# Altium PCB Booster_Main_Board.PcbDoc (part 10 of 13)
Units mm, origin at the board's own origin, x right, y up, seen from the top; angles counter-clockwise.
Board outline 400.01 x 117.51 mm, 4 copper layers (Component Side, Signal Layer 1, Power Plane, Solder Side), stack 1.604 mm thick; 1091 components, 573 nets, 3133 pads, 1954 vias.
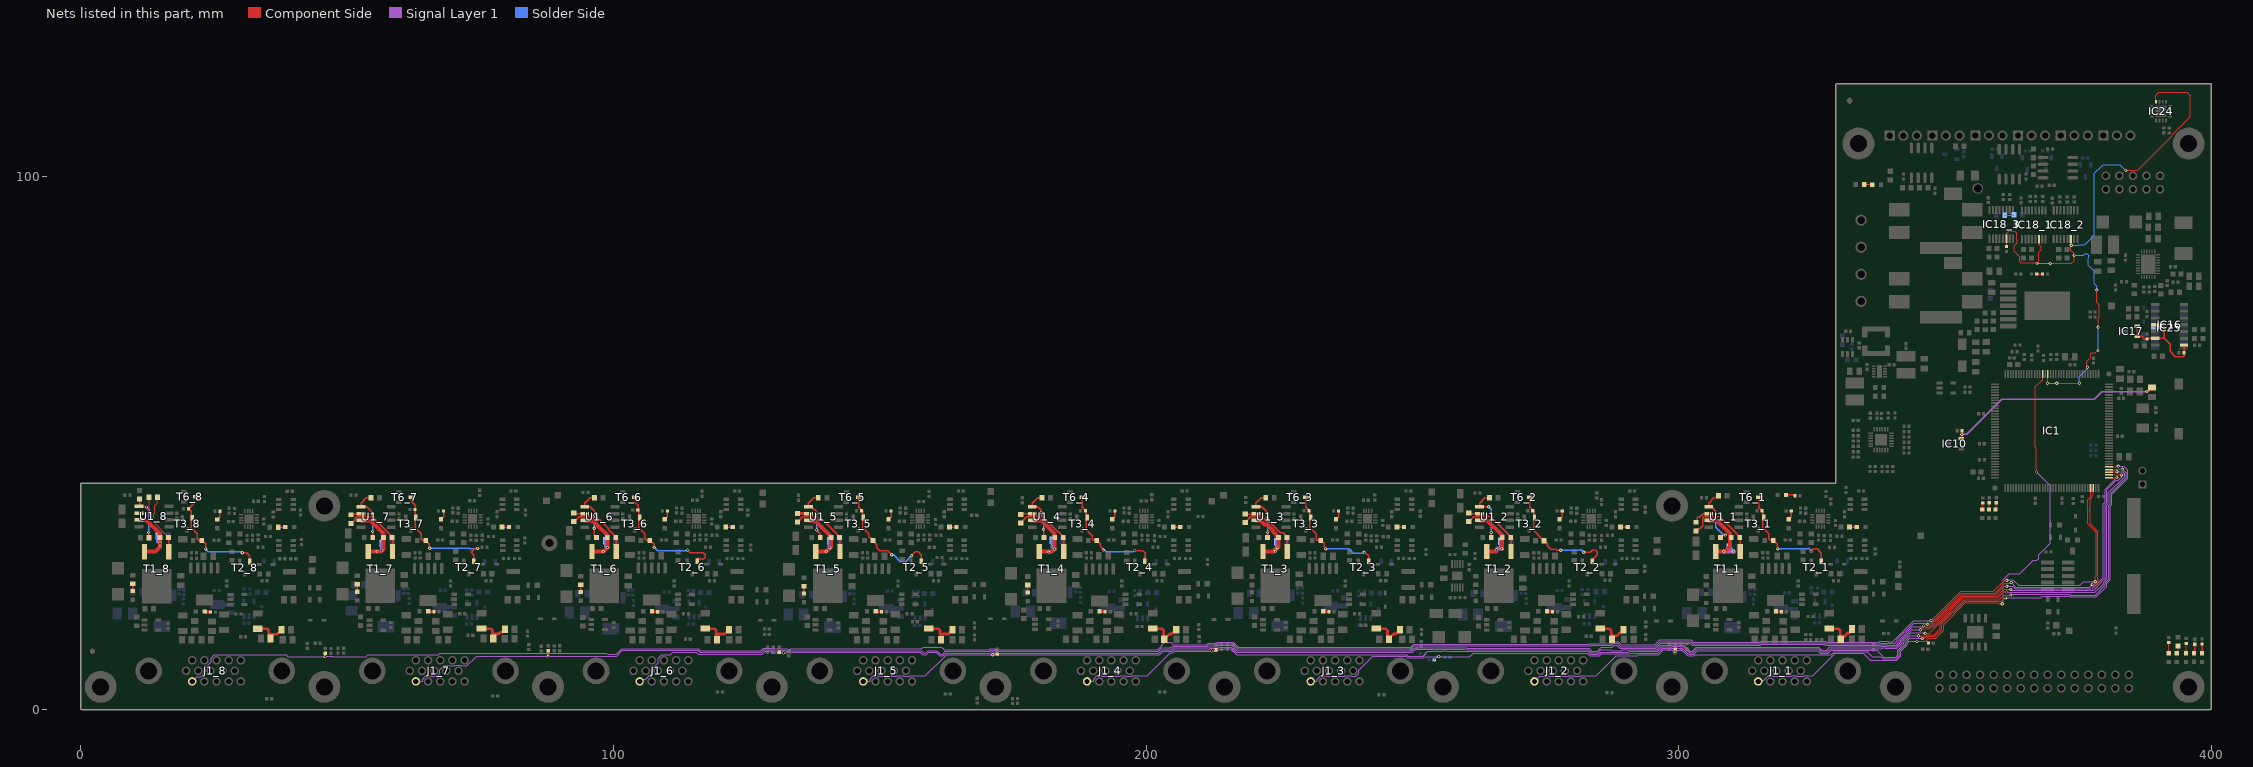
[diagram p12: the nets of this part, all layers, seen from the top]

## Via types
v1: diameter 0.6, hole 0.3, Component Side to Solder Side, tented both sides, 1808 vias
v2: diameter 0.6, hole 0.3, Component Side to Solder Side, 77 vias
v3: diameter 0.5, hole 0.3, Component Side to Solder Side, 40 vias
v4: diameter 1.27, hole 0.711, Component Side to Solder Side, tented both sides, 24 vias
v5: diameter 1.2, hole 0.8, Component Side to Solder Side, tented both sides, 5 vias

## Nets (pads, with @x,y where several pads share a name; then routed paths per layer and width w, separated by ;. In a path a pad name is that pad's centre, name@x,y a point inside that pad or via, vN(x,y) a via of type N, cw(c..) or ccw(c..) an arc to the next point about the centre after c; other vN are vias at no path point) (continued)
NetLD1_4_2: LD1_4.2 R7_4.1 | length 1.4
  Component Side w0.254: LD1_4.2@177.773,21.96 LD1_4.2@177.773,21.985 R7_4.1@177.773,23.36
NetLD1_5_2: LD1_5.2 R7_5.1 | length 1.4
  Component Side w0.254: LD1_5.2@135.758,21.752 LD1_5.2@135.758,21.777 R7_5.1@135.758,23.152
NetLD1_6_2: LD1_6.2 R7_6.1 | length 1.4
  Component Side w0.254: LD1_6.2@93.874,22.036 LD1_6.2@93.874,22.061 R7_6.1@93.874,23.436
NetLD1_7_2: LD1_7.2 R7_7.1 | length 1.4
  Component Side w0.254: LD1_7.2@51.9,22.112 LD1_7.2@51.9,22.137 R7_7.1@51.9,23.512
NetLD1_8_2: LD1_8.2 R7_8.1 | length 1.4
  Component Side w0.254: LD1_8.2@9.728,22.254 R7_8.1@9.728,23.629
NetLD2_1_2: LD2_1.2 R11_1.2 | length 0.9
  Component Side w0.508: LD2_1.2@318.413,18.335 R11_1.2@319.318,18.335
NetLD2_2_2: LD2_2.2 R11_2.2 | length 0.9
  Component Side w0.508: LD2_2.2@275.413,18.335 R11_2.2@276.318,18.335
NetLD2_3_2: LD2_3.2 R11_3.2 | length 0.9
  Component Side w0.508: LD2_3.2@233.413,18.335 R11_3.2@234.318,18.335
NetLD2_4_2: LD2_4.2 R11_4.2 | length 0.9
  Component Side w0.508: LD2_4.2@191.413,18.335 R11_4.2@192.318,18.335
NetLD2_5_2: LD2_5.2 R11_5.2 | length 0.9
  Component Side w0.508: LD2_5.2@149.413,18.335 R11_5.2@150.318,18.335
NetLD2_6_2: LD2_6.2 R11_6.2 | length 0.9
  Component Side w0.508: LD2_6.2@107.413,18.335 R11_6.2@108.318,18.335
NetLD2_7_2: LD2_7.2 R11_7.2 | length 0.9
  Component Side w0.508: LD2_7.2@65.413,18.335 R11_7.2@66.318,18.335
NetLD2_8_2: LD2_8.2 R11_8.2 | length 0.9
  Component Side w0.508: LD2_8.2@23.413,18.306 R11_8.2@24.318,18.306
NetLD3_2: LD3.2 R21.2 | length 1.5
  Component Side w0.254: LD3.2@398.277,10.635 R21.2@398.277,12.185
NetLD4_1_2: LD4_1.2 R107_1.1 | length 1.3
  Component Side w0.254: R107_1.1@332.076,34.263 LD4_1.2@333.401,34.263
NetLD4_2_2: LD4_2.2 R107_2.1 | length 1.3
  Component Side w0.254: R107_2.1@289.076,34.263 LD4_2.2@290.401,34.263
NetLD4_3_2: LD4_3.2 R107_3.1 | length 1.3
  Component Side w0.254: R107_3.1@247.076,34.263 LD4_3.2@248.401,34.263
NetLD4_4_2: LD4_4.2 R107_4.1 | length 1.3
  Component Side w0.254: R107_4.1@205.076,34.263 LD4_4.2@206.401,34.263
NetLD4_5_2: LD4_5.2 R107_5.1 | length 1.3
  Component Side w0.254: R107_5.1@163.076,34.263 LD4_5.2@164.401,34.263
NetLD4_6_2: LD4_6.2 R107_6.1 | length 1.3
  Component Side w0.254: R107_6.1@121.076,34.263 LD4_6.2@122.401,34.263
NetLD4_7_2: LD4_7.2 R107_7.1 | length 1.3
  Component Side w0.254: R107_7.1@79.076,34.263 LD4_7.2@80.401,34.263
NetLD4_8_2: LD4_8.2 R107_8.1 | length 1.3
  Component Side w0.254: R107_8.1@37.076,34.234 LD4_8.2@38.401,34.234
NetLD5_2: LD5.2 R55.1 | length 1.8
  Component Side w0.254: LD5.2@320.118,40.285 321.711,40.285 R55.1@321.839,40.157
NetLD6_2: LD6.2 R142.1 | length 1.5
  Component Side w0.152: R142.1@334.899,98.654 336.157,98.654 LD6.2@336.309,98.501
NetLD9_2: LD9.2 R101.2 | length 1.2
  Component Side w0.152: R101.2@358.292,38.824 358.292,37.782 LD9.2@358.419,37.655
NetLD10_2: LD10.2 R102.2 | length 1.1
  Component Side w0.152: R102.2@357.048,38.748 357.048,37.681 LD10.2@357.073,37.655
NetLD11_2: LD11.2 R103.2 | length 1.2
  Component Side w0.152: R103.2@359.613,38.824 359.613,37.808 LD11.2@359.766,37.655
NetLD12_1_1: LD12_1.1 R104_1.2 | length 1.8
  Component Side w0.254: LD12_1.1@320.629,35.678 321.124,36.173 R104_1.2@321.124,37.265
NetLD12_2_1: LD12_2.1 R104_2.2 | length 1.8
  Component Side w0.254: LD12_2.1@277.629,35.678 278.124,36.173 R104_2.2@278.124,37.265
NetLD12_3_1: LD12_3.1 R104_3.2 | length 1.8
  Component Side w0.254: LD12_3.1@235.629,35.678 236.124,36.173 R104_3.2@236.124,37.265
NetLD12_4_1: LD12_4.1 R104_4.2 | length 1.8
  Component Side w0.254: LD12_4.1@193.629,35.678 194.124,36.173 R104_4.2@194.124,37.265
NetLD12_5_1: LD12_5.1 R104_5.2 | length 1.8
  Component Side w0.254: LD12_5.1@151.629,35.678 152.124,36.173 R104_5.2@152.124,37.265
NetLD12_6_1: LD12_6.1 R104_6.2 | length 1.8
  Component Side w0.254: LD12_6.1@109.629,35.678 110.124,36.173 R104_6.2@110.124,37.265
NetLD12_7_1: LD12_7.1 R104_7.2 | length 1.8
  Component Side w0.254: LD12_7.1@67.629,35.678 68.124,36.173 R104_7.2@68.124,37.265
NetLD12_8_1: LD12_8.1 R104_8.2 | length 1.8
  Component Side w0.254: LD12_8.1@25.629,35.649 26.124,36.144 R104_8.2@26.124,37.236
NetLD16_2: LD16.2 R109.2 | length 1.8
  Component Side w0.152: R109.2@395.258,12.366 395.258,10.886 LD16.2@395.508,10.636
NetLD17_2: LD17.2 R110.1 | length 1.1
  Component Side w0.152: LD17.2@393.758,10.635 R110.1@393.758,11.735
NetLD18_1: LD18.1 R108.2 | length 2
  Component Side w0.152: LD18.1@392.008,10.636 R108.2@392.008,12.616
NetLD19_2: LD19.2 R111.1 | length 1.6
  Component Side w0.254: R111.1@396.876,12.261 396.902,12.235 LD19.2@396.902,10.661
NetR8_1_1: R8_1.1 R9_1.2 U1_1.5 | length 11.3
  Component Side w0.254: v1(306.978,36.754) 306.978,37.254 306.167,38.065 U1_1.5@305.613,38.065 305.613,38.735 306.614,39.735 R9_1.2@307.463,39.735 ; R8_1.1@307.814,32.287 307.772,32.245 307.728,32.289 308.193,32.754 v1(308.728,32.754)
  Solder Side w0.254: v1(306.978,36.754) 306.978,34.22 308.444,32.754 v1(308.728,32.754)
NetR8_2_1: R8_2.1 R9_2.2 U1_2.5 | length 10.6
  Component Side w0.254: U1_2.5@262.613,38.065 262.613,38.735 263.614,39.735 R9_2.2@264.463,39.735 ; U1_2.5@262.793,38.065 v1(264.331,38.065) ; v1(264.795,33.234) 264.795,32.639 264.629,32.473 R8_2.1@264.814,32.287
  Solder Side w0.254: v1(264.331,38.065) 264.795,37.601 v1(264.795,33.234)
NetR8_3_1: R8_3.1 R9_3.2 U1_3.5 | length 10.5
  Component Side w0.254: R9_3.2@222.463,39.735 221.614,39.735 220.613,38.735 U1_3.5@220.613,38.065 221.667,38.065 222.728,37.004 v1(222.728,36.004) ; v1(222.809,33.248) 222.809,32.791 222.559,32.542 R8_3.1@222.814,32.287
  Solder Side w0.254: v1(222.728,36.004) 222.809,36.004 v1(222.809,33.248)
NetR8_4_1: R8_4.1 R9_4.2 U1_4.5 | length 10.6
  Component Side w0.254: v1(180.328,36.93) 180.328,37.404 179.667,38.065 U1_4.5@178.613,38.065 178.613,38.735 179.614,39.735 R9_4.2@180.463,39.735 ; v1(180.746,33.858) 180.814,33.79 R8_4.1@180.814,32.287
  Solder Side w0.254: v1(180.328,36.93) 180.328,36.354 180.267,36.293 180.746,36.293 v1(180.746,33.858)
NetR8_5_1: R8_5.1 R9_5.2 U1_5.5 | length 10
  Component Side w0.254: v1(138.151,33.706) 138.814,33.042 R8_5.1@138.814,32.287 ; v1(138.228,36.504) 138.228,37.004 137.167,38.065 U1_5.5@136.613,38.065 136.613,38.735 137.614,39.735 R9_5.2@138.463,39.735
  Solder Side w0.254: v1(138.151,33.706) v1@138.151,36.504
NetR8_6_1: R8_6.1 R9_6.2 U1_6.5 | length 10.3
  Component Side w0.254: v1(96.393,34.036) 96.393,32.708 R8_6.1@96.814,32.287 ; R9_6.2@96.463,39.735 95.614,39.735 94.613,38.735 U1_6.5@94.613,38.065 95.667,38.065 96.478,37.254 v1(96.478,36.504)
  Solder Side w0.254: v1(96.393,34.036) 96.393,36.419 v1(96.478,36.504)
NetR8_7_1: R8_7.1 R9_7.2 U1_7.5 | length 10.2
  Component Side w0.254: R9_7.2@54.463,39.735 53.614,39.735 52.613,38.735 U1_7.5@52.613,38.065 53.667,38.065 54.728,37.004 v1(54.728,36.754) ; v1(54.788,33.452) 54.788,32.313 R8_7.1@54.814,32.287
  Solder Side w0.254: v1(54.728,36.754) 54.788,36.694 v1(54.788,33.452)
NetR8_8_1: R8_8.1 R9_8.2 U1_8.5 | length 9.6
  Component Side w0.254: U1_8.5@10.793,38.036 v1(12.331,38.036) ; U1_8.5@10.942,37.973 10.676,37.973 10.613,38.036 11.028,38.451 R9_8.2@11.028,39.504 ; v1(12.725,33.255) 12.725,32.639 12.579,32.493 R8_8.1@12.814,32.258
  Solder Side w0.254: v1(12.331,38.036) 12.725,37.642 v1(12.725,33.255)
NetR12_1_1: R12_1.1 R29_1.2 T1_1.1 | length 14.1
  Component Side w0.254: R29_1.2@303.478,33.954 303.928,33.954 304.478,34.504 304.478,35.907 304.726,36.154 305.308,36.154 305.34,36.185 306.727,36.185 306.738,36.175 307.699,36.175 310.057,33.816 310.057,33.801 310.309,33.549 310.324,33.549 311.518,32.355 T1_1.1@311.518,29.66
NetR12_1_2: R12_1.2 R114_1.2 T1_1.2 U1_1.7 | length 14.8
  Component Side w0.762: U1_1.7@305.613,35.525 305.624,35.514 307.189,35.514 309.639,33.064 309.639,30.62 308.679,29.66 v1(308.443,29.66) T1_1.2@306.958,29.66
  Signal Layer 1 w0.762: v1(308.443,29.66) v1(310.239,29.66)
  Solder Side w0.762: v1(308.443,29.66) 308.709,29.66 R114_1.2@309.478,30.429 310.239,29.669 v1(310.239,29.66)
NetR12_2_1: R12_2.1 R29_2.2 T1_2.1 | length 12.6
  Component Side w0.254: R29_2.2@260.553,35.304 260.628,35.304 261.51,36.185 264.688,36.185 267.057,33.816 267.057,33.801 267.309,33.549 267.324,33.549 268.518,32.355 T1_2.1@268.518,29.66
NetR12_2_2: R12_2.2 R114_2.2 T1_2.2 U1_2.7 | length 12.2
  Component Side w0.762: U1_2.7@262.613,35.525 264.017,35.525 266.802,32.741 v1(266.802,30.201) ; T1_2.2@263.958,29.66 265.771,29.66
  Signal Layer 1 w0.762: v1(265.771,30.023) 265.949,30.201 v1(266.802,30.201)
  Solder Side w0.762: R114_2.2@266.633,31.554 266.633,30.37 v1(266.802,30.201)
NetR12_3_1: R12_3.1 R29_3.2 T1_3.1 | length 12.7
  Component Side w0.254: R29_3.2@218.628,35.104 218.628,35.179 219.635,36.185 221.762,36.185 222.149,35.799 222.149,35.764 222.488,35.425 222.926,35.425 225.19,33.16 225.713,33.16 226.518,32.355 T1_3.1@226.518,29.66
NetR12_3_2: R12_3.2 R114_3.2 T1_3.2 U1_3.7 | length 12.5
  Component Side w0.762: U1_3.7@220.613,35.525 221.488,35.525 221.488,35.49 222.215,34.764 222.652,34.764 223.822,33.595 223.822,33.387 224.866,32.343 v1@224.866,30.531 ; T1_3.2@221.958,29.66 223.934,29.66 224.318,30.044 v1(224.628,30.354) 224.628,30.292 v1@224.596,30.26
  Solder Side w0.762: v1(224.209,29.743) 224.209,30.009 224.567,30.366 R114_3.2@224.567,31.504
NetR12_4_1: R12_4.1 R29_4.2 T1_4.1 | length 12.8
  Component Side w0.254: R29_4.2@176.453,35.029 176.453,35.054 177.585,36.185 180.613,36.185 183.249,33.549 183.324,33.549 184.518,32.355 T1_4.1@184.518,29.66
NetR12_4_2: R12_4.2 R114_4.2 T1_4.2 U1_4.7 | length 13
  Component Side w0.762: U1_4.7@178.613,35.525 180.339,35.525 182.804,33.061 v1(182.804,30.099) 182.365,29.66 T1_4.2@179.958,29.66
  Solder Side w0.762: R114_4.2@182.428,31.783 182.428,30.475 v1(182.804,30.099)
  other v1: 181.728,29.554
NetR12_5_1: R12_5.1 R29_5.2 T1_5.1 | length 12.7
  Component Side w0.254: R29_5.2@134.553,35.204 135.535,36.185 137.727,36.185 137.988,35.925 138.949,35.925 141.057,33.816 141.057,33.801 141.309,33.549 141.324,33.549 142.518,32.355 T1_5.1@142.518,29.66
NetR12_5_2: R12_5.2 R114_5.2 T1_5.2 U1_5.7 | length 12
  Component Side w0.762: U1_5.7@136.613,35.525 137.454,35.525 137.715,35.264 138.065,35.264 140.818,32.512 140.818,30.531 v1(140.641,30.354) v1(139.947,29.66) T1_5.2@137.958,29.66
  Solder Side w0.762: R114_5.2@140.578,31.724 140.578,30.417 v1(140.641,30.354)
NetR12_6_1: R12_6.1 R29_6.2 T1_6.1 | length 12.7
  Component Side w0.254: R29_6.2@92.528,35.304 92.703,35.304 93.585,36.185 95.977,36.185 96.238,35.925 97.121,35.925 99.057,33.989 99.057,33.801 99.309,33.549 99.324,33.549 100.518,32.355 T1_6.1@100.518,29.66
NetR12_6_2: R12_6.2 R114_6.2 T1_6.2 U1_6.7 | length 12.3
  Component Side w0.762: U1_6.7@94.613,35.525 95.704,35.525 95.965,35.264 96.343,35.264 97.122,34.486 98.846,32.761 R12_6.2@98.846,32.312 v1(98.846,30.419) v1(98.088,29.66) T1_6.2@95.958,29.66
  Solder Side w0.762: R114_6.2@98.578,31.654 98.578,30.687 v1(98.846,30.419)
NetR12_7_1: R12_7.1 R29_7.2 T1_7.1 | length 12.9
  Component Side w0.254: R29_7.2@50.503,35.104 50.938,35.104 51.509,35.675 51.509,35.937 51.757,36.185 54.477,36.185 54.488,36.175 54.699,36.175 57.057,33.816 57.057,33.801 57.309,33.549 57.324,33.549 58.518,32.355 T1_7.1@58.518,29.66
NetR12_7_2: R12_7.2 R114_7.2 T1_7.2 U1_7.7 | length 12.6
  Component Side w0.762: U1_7.7@52.613,35.525 52.624,35.514 54.358,35.514 56.846,33.025 R12_7.2@56.846,32.312 56.846,30.176 v1(56.528,29.858) 56.33,29.66 v1(55.628,29.66) T1_7.2@53.958,29.66
  Solder Side w0.762: v1(56.528,29.858) 56.582,29.912 R114_7.2@56.582,31.254
NetR12_8_1: R12_8.1 R29_8.2 T1_8.1 | length 11.7
  Component Side w0.203: R29_8.2@14.378,39.829 14.378,38.754 13.928,38.304 13.928,36.904 13.703,36.679 13.703,35.126 16.446,32.383 R12_8.1@16.446,32.283
  Component Side w0.254: T1_8.1@16.518,29.631 R12_8.1@16.518,32.326
NetR12_8_2: R12_8.2 R114_8.2 T1_8.2 U1_8.7 | length 12.3
  Component Side w0.762: U1_8.7@10.903,35.619 12.26,35.619 14.859,33.02 v1(14.859,31.254) v1(14.859,30.505) 13.985,29.631 T1_8.2@11.958,29.631
  Solder Side w0.762: R114_8.2@14.528,32.585 14.528,31.585 v1(14.859,31.254)
NetR17_1_1: R17_1.1 R40_1.1 T2_1.1 T3_1.1 T6_1.3 | length 22.3
  Component Side w0.254: T6_1.3@315.013,39.86 315.013,38.015 315.762,37.266 315.762,34.156 316.895,33.024 316.895,32.05 317.195,31.75 R17_1.1@317.741,31.75 318.446,31.045 318.446,30.584 318.754,30.277 318.627,30.15 v1(318.592,30.15) ; v1(324.828,29.654) 325.325,30.151 325.96,30.151 326.76,29.351 T2_1.1@326.76,27.82
  Solder Side w0.254: v1(318.592,30.15) 324.307,30.15 324.434,30.277 324.828,29.883 v1(324.828,29.654)
NetR17_2_1: R17_2.1 R40_2.1 T2_2.1 T3_2.1 T6_2.3 | length 23.1
  Component Side w0.254: T6_2.3@272.013,39.86 272.013,38.015 272.762,37.266 272.762,33.625 274.315,32.072 274.365,32.072 274.688,31.749 R17_2.1@274.688,31.725 ; R17_2.1@274.688,31.699 R17_2.1@274.688,31.725 ; v1(277.851,29.921) 277.065,29.921 276.913,30.074 276.892,30.053 275.942,30.053 275.29,30.705 275.29,31.174 274.739,31.725 R17_2.1@274.688,31.725 ; v1(282.169,29.54) 283.385,29.54 283.778,29.933 284.368,29.933 284.707,29.594 284.707,29.087 283.76,28.14 T2_2.1@283.76,27.82
  Solder Side w0.254: v1(277.851,29.921) 281.483,29.921 281.635,30.074 v1(282.169,29.54)
NetR17_3_1: R17_3.1 R40_3.1 T2_3.1 T3_3.1 T6_3.3 | length 21.6
  Component Side w0.254: T6_3.3@230.013,39.86 230.013,38.015 230.762,37.266 230.762,34.156 231.895,33.024 231.895,32.391 231.908,32.379 231.908,31.877 232.035,31.75 R17_3.1@232.778,31.75 ; R17_3.1@232.778,31.754 232.896,31.754 233.446,31.203 233.446,30.584 233.728,30.303 v1(233.728,30.154) ; v1(240.928,29.554) 240.928,29.482 240.956,29.454 241.056,29.554 241.76,28.85 T2_3.1@241.76,27.82
  Solder Side w0.254: v1(233.728,30.154) 238.073,30.154 238.853,29.375 240.748,29.375 v1(240.928,29.554)
NetR17_4_1: R17_4.1 R40_4.1 T2_4.1 T3_4.1 T6_4.3 | length 23.3
  Component Side w0.254: T6_4.3@188.013,39.86 188.013,38.015 188.762,37.266 188.762,33.761 189.895,32.628 189.895,31.923 190.065,31.754 190.741,31.754 191.41,31.085 191.41,30.771 191.446,30.734 191.446,30.584 191.973,30.058 v1(191.973,29.934) ; v1(197.828,29.854) 197.879,29.803 199.399,29.803 199.807,29.394 199.807,28.914 ; T2_4.1@199.76,27.82 T2_4.1@199.783,27.843 ; T2_4.1@199.783,27.843 199.807,27.867 199.807,28.914 ; T2_4.1@199.783,27.843 199.783,28.838 199.76,28.86 199.76,28.867 199.807,28.914
  Solder Side w0.254: v1@191.962,30.201 v1@191.973,30.19 ; v1(191.973,29.934) v1@191.973,30.19 ; v1(197.828,29.854) 197.61,29.636 192.527,29.636 v1@191.973,30.19
NetR17_5_1: R17_5.1 R40_5.1 T2_5.1 T3_5.1 T6_5.3 | length 22.7
  Component Side w0.254: T6_5.3@146.013,39.86 146.013,38.015 146.762,37.266 146.762,34.156 147.895,33.024 147.895,32.4 148.058,32.236 148.244,32.236 148.264,32.216 148.436,32.216 149.174,31.477 149.174,31.242 149.446,30.97 149.446,30.335 149.998,29.783 151.528,29.783 152.228,29.083 v1(152.228,29.069) ; v1(155.928,28.854) 156.665,29.591 157.186,29.591 157.76,29.016 T2_5.1@157.76,27.82
  Solder Side w0.254: v1(152.228,29.069) 152.574,29.069 153.871,27.773 154.847,27.773 v1(155.928,28.854)
NetR17_6_1: R17_6.1 R40_6.1 T2_6.1 T3_6.1 T6_6.3 | length 24.9
  Component Side w0.254: T6_6.3@104.013,39.86 104.013,38.938 104.614,38.337 104.614,37.613 104.762,37.465 104.762,34.156 105.895,33.024 105.895,32.395 105.924,32.366 105.924,31.948 106.121,31.75 R17_6.1@106.794,31.75 ; R17_6.1@106.794,31.754 R17_6.1@106.912,31.754 ; R17_6.1@106.908,31.75 R17_6.1@106.912,31.754 ; v1(107.645,30.404) 107.645,31.012 107.442,31.215 107.446,31.219 R17_6.1@106.912,31.754 ; v1@114.056,29.826 114.012,29.782 114.385,29.408 116.868,29.408 117.208,29.069 117.208,28.589 116.868,28.25 116.388,28.25 116.215,28.423 115.76,28.423 T2_6.1@115.76,27.82
  Solder Side w0.254: v1(107.645,30.404) 107.537,30.404 107.467,30.473 107.578,30.584 108.327,29.836 113.928,29.836 v1(113.928,29.954)
NetR17_7_1: R17_7.1 R40_7.1 T2_7.1 T3_7.1 T6_7.3 | length 23.5
  Component Side w0.254: T6_7.3@62.013,39.86 62.013,39.104 62.762,38.355 62.762,34.156 63.895,33.024 63.895,31.939 64.081,31.754 R17_7.1@64.757,31.754 ; R17_7.1@64.757,31.75 65.446,31.061 65.446,30.584 ; T2_7.1@73.76,27.82 73.76,29.102 73.347,29.515 74.087,30.254 v1(74.528,30.254)
  Solder Side w0.254: v1(65.507,30.277) 72.909,30.277 72.977,30.209 74.483,30.209 v1(74.528,30.254)
NetR17_8_1: R17_8.1 R40_8.1 T2_8.1 T3_8.1 T6_8.3 | length 22.1
  Component Side w0.254: R40_8.1@20.231,37.719 20.231,37.739 R40_8.1@20.246,37.754 ; T6_8.3@21.591,39.984 21.591,39.079 20.414,37.902 20.394,37.902 R40_8.1@20.246,37.754 ; v1(23.444,30.15) 23.444,31.194 23.446,31.196 23.401,31.196 22.847,31.75 R17_8.1@22.72,31.75 22.174,31.75 21.908,32.017 21.908,32.024 21.895,32.036 21.895,32.995 20.762,34.127 20.762,37.237 R40_8.1@20.246,37.754 ; v1(30.302,29.439) 31.142,29.439 31.76,28.821 T2_8.1@31.76,27.791
  Solder Side w0.254: v1@23.405,30.11 23.908,29.607 30.134,29.607 v1(30.302,29.439)
NetR26_1: R26.1 R27.2 | length 1.1
  Component Side w0.152: R27.2@367.198,81.754 R26.1@368.258,81.754
NetR29_1_1: R29_1.1 U1_1.6 | length 2.9
  Component Side w0.254: R29_1.1@303.478,35.554 303.478,35.848 303.506,35.876 303.506,36.067 303.84,36.067 304.569,36.795 U1_1.6@305.613,36.795
NetR29_2_1: R29_2.1 U1_2.6 | length 2.1
  Component Side w0.254: R29_2.1@260.553,36.904 260.662,36.795 U1_2.6@262.613,36.795
NetR29_3_1: R29_3.1 U1_3.6 | length 2
  Component Side w0.254: R29_3.1@218.628,36.704 220.522,36.704 U1_3.6@220.613,36.795
NetR29_4_1: R29_4.1 U1_4.6 | length 2.2
  Component Side w0.254: R29_4.1@176.453,36.629 176.619,36.795 U1_4.6@178.613,36.795
NetR29_5_1: R29_5.1 U1_5.6 | length 2.1
  Component Side w0.635: R29_5.1@134.553,36.804 136.604,36.804 U1_5.6@136.613,36.795
NetR29_6_1: R29_6.1 U1_6.6 | length 2.1
  Component Side w0.254: R29_6.1@92.528,36.904 92.637,36.795 U1_6.6@94.613,36.795
NetR29_7_1: R29_7.1 U1_7.6 | length 2.1
  Component Side w0.254: R29_7.1@50.503,36.704 52.522,36.704 U1_7.6@52.613,36.795
NetR29_8_1: R29_8.1 U1_8.6 | length 4.9
  Component Side w0.203: U1_8.6@10.942,36.703 12.577,36.703 12.885,37.011 12.885,39.722 R29_8.1@12.778,39.829
NetR140_1: R140.1 R141.2 | length 1.7
  Solder Side w0.152: R140.1@361.201,92.812 362.864,92.812 R141.2@362.89,92.786
OUT_BIAS_1: C33_1.2 FB5_1.1 R38_1.2 | length 7.1
  Component Side w0.508: R38_1.2@328.223,15.187 329.965,15.187 330.166,14.986 330.308,14.844 330.308,13.187 330.414,13.081 331.565,14.231 331.565,14.27 331.646,14.351 332.022,14.351 C33_1.2@332.657,14.986
OUT_BIAS_2: C33_2.2 FB5_2.1 R38_2.2 | length 6.1
  Component Side w0.508: R38_2.2@285.223,15.187 286.965,15.187 287.166,14.986 287.308,14.844 287.308,13.843 288.383,13.843 288.88,14.339 289.011,14.339 C33_2.2@289.657,14.986
OUT_BIAS_3: C33_3.2 FB5_3.1 R38_3.2 | length 6.8
  Component Side w0.508: R38_3.2@243.223,15.187 244.965,15.187 245.166,14.986 245.308,14.844 245.308,13.478 FB5_3.1@245.578,13.208 245.578,13.29 246.456,14.168 246.839,14.168 C33_3.2@247.657,14.986
OUT_BIAS_4: C33_4.2 FB5_4.1 R38_4.2 | length 6.9
  Component Side w0.508: R38_4.2@201.223,15.187 202.965,15.187 203.166,14.986 203.308,14.844 203.308,13.314 FB5_4.1@203.414,13.208 204.374,14.168 204.763,14.168 205.581,14.986 C33_4.2@205.657,14.986
OUT_BIAS_5: C33_5.2 FB5_5.1 R38_5.2 | length 6.8
  Component Side w0.508: R38_5.2@159.223,15.187 160.965,15.187 161.166,14.986 161.308,14.844 161.308,14.168 ; FB5_5.1@161.504,13.081 161.504,13.972 161.308,14.168 ; C33_5.2@163.657,14.986 162.839,14.168 161.308,14.168
OUT_BIAS_6: C33_6.2 FB5_6.1 R38_6.2 | length 6.7
  Component Side w0.508: R38_6.2@117.223,15.187 118.965,15.187 119.166,14.986 119.308,14.844 119.308,14.168 120.839,14.168 C33_6.2@121.657,14.986
  Component Side w0.762: 119.308,14.168 119.467,14.009 FB5_6.1@119.467,13.081
OUT_BIAS_7: C33_7.2 FB5_7.1 R38_7.2 | length 5.6
  Component Side w0.508: R38_7.2@75.223,15.187 76.965,15.187 77.166,14.986 77.308,14.844 77.308,14.168 78.188,14.168 78.29,14.27 78.565,14.27 78.803,14.508 78.803,14.526 79.137,14.526 79.597,14.986 C33_7.2@79.657,14.986
OUT_BIAS_8: C33_8.2 FB5_8.1 R38_8.2 | length 5.6
  Component Side w0.508: R38_8.2@33.223,15.158 34.965,15.158 35.166,14.957 35.308,14.815 35.308,14.139 36.839,14.139 C33_8.2@37.657,14.957
Output_overdrive0: C83_8.1 IC1.141 J1_8.1 | length 389.7
  Component Side w0.152: v1(45.872,9.954) C83_8.1@45.872,10.548 ; v1@347.36,16.647 352.587,21.874 352.619,21.874 352.923,22.179 359.059,22.179 361.163,24.282 v1(361.594,24.282) ; IC1.141@377.303,41.599 377.303,39.935 376.784,39.416 376.784,34.864 378.372,33.276 378.372,28.315 378.358,28.301 378.358,25.044 378.181,24.867 v1(378.181,23.978)
  Signal Layer 1 w0.152: J1_8.1@20.906,5.245 21.858,6.196 22.477,6.196 23.08,6.799 23.08,7.637 24.45,9.006 24.45,9.66 25.052,10.263 38.573,10.263 38.882,9.954 v1(45.872,9.954) 45.896,9.977 47.31,9.977 47.334,9.954 53.572,9.954 53.881,10.263 67.108,10.263 67.407,10.562 98.658,10.562 98.882,10.338 100.483,10.338 101.538,11.392 115.95,11.392 116.316,11.025 127.68,11.025 128.206,11.552 129.654,11.552 129.82,11.386 131.518,11.386 131.582,11.451 132.506,11.451 132.699,11.257 133.137,11.257 133.267,11.386 157.901,11.386 158.197,11.683 161.602,11.683 162.058,11.227 170.552,11.227 170.75,11.425 171.693,11.425 171.891,11.227 202.161,11.227 203.545,12.611 204.647,12.611 205.079,12.179 211.408,12.179 211.67,12.441 213.094,12.441 213.205,12.552 213.325,12.552 213.417,12.644 216.385,12.644 217.341,11.689 249.654,11.689 250.203,12.238 283.258,12.238 283.404,12.384 287.347,12.384 287.673,12.71 288.616,12.71 289.154,12.171 295.503,12.171 296.408,13.076 302.346,13.076 302.747,12.675 315.097,12.675 315.244,12.822 327.593,12.822 327.741,12.675 337.634,12.675 337.756,12.797 339.204,12.797 339.296,12.705 340.187,12.705 340.746,13.264 340.746,13.295 344.113,16.662 v1(347.345,16.662) ; v1(361.594,24.282) 361.691,24.379 362.712,24.379 363.795,23.297 375.315,23.297 375.996,23.978 v1(378.181,23.978)
Output_overdrive1: C83_7.1 IC1.142 J1_7.1 | length 348.8
  Component Side w0.152: v1(87.732,10.033) 87.757,10.059 C83_7.1@87.757,11.056 ; v1(346.71,16.002) 346.842,16.134 347.564,16.134 347.874,16.443 347.874,16.698 353.05,21.874 359.288,21.874 361.167,23.754 362.31,23.754 v1(362.407,23.851) ; v1(377.596,23.444) 378.395,23.444 378.709,23.759 378.709,24.197 378.663,24.243 378.663,25.883 378.677,25.896 378.677,33.402 377.215,34.863 377.215,37.12 377.18,37.155 377.18,37.593 377.215,37.628 377.215,39.417 377.63,39.831 377.63,40.368 377.803,40.541 IC1.142@377.803,41.599
  Signal Layer 1 w0.152: J1_7.1@62.906,5.274 64.145,5.274 64.164,5.292 64.164,5.7 64.766,6.303 65.618,6.303 65.695,6.225 66.763,6.225 67.366,6.828 67.366,7.451 68.197,8.283 69.049,8.283 69.126,8.205 70.19,8.205 70.267,8.283 71.335,8.283 71.412,8.205 72.476,8.205 74.304,10.033 v1(87.732,10.033) 100.609,10.033 101.664,11.087 115.822,11.087 116.189,10.721 127.806,10.721 128.333,11.247 129.528,11.247 129.694,11.082 131.644,11.082 131.709,11.146 132.147,11.146 132.34,10.952 133.263,10.952 133.393,11.082 157.741,11.082 158.197,10.625 158.635,10.625 159.091,11.082 160.708,11.082 161.364,10.425 161.802,10.425 162.273,10.897 162.886,10.897 162.911,10.922 170.678,10.922 170.876,11.12 171.567,11.12 171.765,10.922 202.287,10.922 202.919,11.554 204.647,11.554 204.968,11.874 211.534,11.874 211.796,12.136 213.22,12.136 213.331,12.248 213.451,12.248 213.543,12.34 216.259,12.34 217.214,11.384 249.78,11.384 250.329,11.933 283.6,11.933 283.702,12.035 284.283,12.035 284.287,12.031 287.425,12.031 287.799,12.405 288.489,12.405 289.083,11.811 295.574,11.811 296.534,12.771 302.219,12.771 302.621,12.37 315.223,12.37 315.37,12.517 327.467,12.517 327.615,12.37 337.76,12.37 337.883,12.492 339.078,12.492 339.17,12.4 340.572,12.4 341.051,12.878 341.051,13.168 344.108,16.226 346.167,16.226 346.391,16.002 v1(346.71,16.002) ; v1(362.407,23.851) 363.266,22.992 377.144,22.992 v1(377.596,23.444)
Output_overdrive2: C83_6.1 IC1.1 J1_6.1 | length 310.9
  Component Side w0.152: C83_6.1@131.14,10.777 131.768,10.777 v1(131.928,10.617) ; v1(345.948,15.697) 346.11,15.697 346.334,15.473 346.929,15.473 347.285,15.829 347.69,15.829 348.178,16.317 348.178,16.572 353.176,21.569 359.415,21.569 360.985,23.139 v1(361.594,23.139) ; IC1.1@380.753,43.549 v1(382.257,43.549)
  Signal Layer 1 w0.152: J1_6.1@104.906,5.274 105.265,5.274 105.708,5.718 106.098,5.718 107.309,6.928 107.309,7.68 108.45,8.821 108.45,9.66 109.052,10.263 110.643,10.263 111.163,10.783 115.566,10.783 115.933,10.416 127.932,10.416 128.459,10.943 129.402,10.943 129.697,10.647 131.928,10.647 133.39,10.647 133.519,10.777 157.615,10.777 158.071,10.321 158.761,10.321 159.218,10.777 160.582,10.777 161.238,10.121 161.928,10.121 162.4,10.592 170.779,10.592 171.002,10.816 171.44,10.816 171.664,10.592 202.388,10.592 203.045,11.249 204.773,11.249 205.094,11.569 211.66,11.569 211.923,11.832 213.346,11.832 213.458,11.943 213.577,11.943 213.669,12.035 216.132,12.035 217.088,11.079 249.906,11.079 250.455,11.628 260.086,11.628 260.207,11.507 283.173,11.507 283.702,10.978 284.741,10.978 285.489,11.727 287.551,11.727 287.925,12.1 288.363,12.1 288.957,11.507 295.701,11.507 296.661,12.467 302.093,12.467 302.495,12.065 315.349,12.065 315.497,12.213 327.268,12.213 327.416,12.065 337.887,12.065 338.009,12.187 338.952,12.187 339.044,12.095 340.699,12.095 341.355,12.752 341.355,13.042 343.828,15.515 345.765,15.515 v1(345.948,15.697) ; v1(361.594,23.139) 362.687,23.139 363.14,22.687 377.638,22.687 379.728,24.778 379.728,38.595 380.055,38.922 380.055,41.027 380.081,41.052 380.081,41.372 v1(382.257,43.549)
Output_overdrive3: C83_5.1 IC1.2 J1_5.1 | length 269.3
  Component Side w0.152: v1(171.221,10.287) 171.356,10.421 C83_5.1@172.06,10.421 ; v1(345.389,14.986) 345.562,15.159 347.046,15.159 347.411,15.524 347.816,15.524 348.483,16.191 348.483,16.446 353.302,21.265 359.669,21.265 361.005,22.601 362.285,22.601 v1(362.331,22.555) ; IC1.2@380.753,44.049 380.781,44.077 383.125,44.077 v1(383.154,44.049)
  Signal Layer 1 w0.152: J1_5.1@146.906,5.274 148.145,5.274 148.164,5.292 148.164,5.7 148.766,6.303 149.834,6.303 149.911,6.225 150.975,6.225 151.052,6.303 152.12,6.303 152.197,6.225 153.261,6.225 153.338,6.303 154.406,6.303 154.483,6.225 155.547,6.225 155.624,6.303 158.542,6.303 162.526,10.287 v1(171.221,10.287) 202.514,10.287 203.171,10.944 204.9,10.944 205.22,11.265 211.787,11.265 212.049,11.527 213.473,11.527 213.584,11.638 213.704,11.638 213.796,11.73 216.006,11.73 216.962,10.774 250.032,10.774 250.581,11.324 259.959,11.324 260.081,11.202 283.047,11.202 283.575,10.673 284.867,10.673 285.396,11.202 287.287,11.202 287.446,11.043 289.337,11.043 289.495,11.202 295.827,11.202 296.736,12.111 298.564,12.111 298.615,12.162 300.877,12.162 301.837,11.202 301.863,11.202 302.092,10.973 302.53,10.973 303.236,11.679 326.307,11.679 326.83,11.155 327.779,11.155 328.384,11.76 338.013,11.76 338.135,11.882 338.826,11.882 338.927,11.781 340.815,11.781 341.66,12.626 341.66,12.916 343.73,14.986 v1(345.389,14.986) ; v1(362.331,22.555) 362.504,22.382 377.881,22.382 379.451,23.952 379.451,24.069 380.033,24.651 380.033,38.469 380.36,38.796 380.36,40.901 380.386,40.926 380.386,41.246 382.159,43.02 382.476,43.02 383.154,43.698 v1(383.154,44.049)
Output_overdrive4: C83_4.1 IC1.3 J1_4.1 | length 228.8
  Component Side w0.152: v1(212.268,10.998) 212.896,10.998 C83_4.1@213.131,11.234 ; v1(346.253,14.326) 347.049,14.326 348.788,16.065 348.788,16.319 353.428,20.96 359.897,20.96 361.01,22.073 v1(361.518,22.073) ; IC1.3@380.753,44.549 380.832,44.628 v1(382.245,44.628)
  Signal Layer 1 w0.152: J1_4.1@188.906,5.274 190.145,5.274 190.164,5.292 190.164,5.7 190.766,6.303 191.618,6.303 191.695,6.225 192.763,6.225 192.84,6.303 193.904,6.303 193.981,6.225 195.049,6.225 195.126,6.303 196.19,6.303 196.267,6.225 197.335,6.225 197.412,6.303 200.232,6.303 204.568,10.639 205.026,10.639 205.346,10.96 212.268,10.96 213.337,10.96 213.71,11.333 214.675,11.333 214.767,11.425 215.88,11.425 216.993,10.312 248.955,10.312 249.236,10.031 252.04,10.031 252.906,10.897 255.717,10.897 255.838,11.019 256.276,11.019 256.398,10.897 282.921,10.897 283.449,10.368 284.993,10.368 285.363,10.738 290.579,10.738 290.738,10.897 295.953,10.897 296.862,11.806 298.69,11.806 298.741,11.857 300.75,11.857 301.71,10.897 301.737,10.897 301.966,10.668 302.656,10.668 303.362,11.374 326.18,11.374 326.704,10.851 327.905,10.851 328.51,11.455 338.139,11.455 338.261,11.578 338.699,11.578 338.801,11.476 340.942,11.476 341.965,12.499 341.965,12.79 343.572,14.397 346.181,14.397 v1(346.253,14.326) ; v1(361.518,22.073) 361.564,22.027 378.135,22.027 379.755,23.647 379.755,23.943 380.39,24.578 380.39,38.395 380.665,38.67 380.665,40.686 383.683,43.704 383.683,44.268 383.343,44.607 382.265,44.607 v1(382.245,44.628)
Output_overdrive5: C83_3.1 IC1.4 J1_3.1 | length 189.6
  Component Side w0.152: v1(345.008,13.868) 345.08,13.797 345.383,13.797 345.475,13.889 345.942,13.889 346.034,13.797 346.472,13.797 346.696,14.021 347.961,14.021 349.093,15.153 349.093,16.193 353.555,20.655 360.202,20.655 361.036,21.488 362.077,21.488 362.128,21.539 362.179,21.488 v1(362.356,21.488) ; IC1.4@380.753,45.049 381.918,45.049 382.026,45.156 382.464,45.156 382.484,45.136 v1(383.286,45.136)
  Signal Layer 1 w0.152: J1_3.1@230.906,5.274 232.145,5.274 232.164,5.292 232.164,5.7 232.766,6.303 233.834,6.303 233.911,6.225 234.975,6.225 235.052,6.303 236.12,6.303 236.197,6.225 237.261,6.225 237.338,6.303 238.406,6.303 238.483,6.225 239.335,6.225 239.938,6.828 239.938,7.401 242.52,9.983 248.853,9.983 249.11,9.726 252.166,9.726 252.397,9.957 254.914,9.957 254.94,9.983 255.016,9.906 260.713,9.906 261.399,10.592 282.794,10.592 283.323,10.064 285.12,10.064 285.49,10.434 290.705,10.434 290.864,10.592 296.079,10.592 296.989,11.501 298.817,11.501 298.868,11.552 300.624,11.552 301.584,10.592 301.61,10.592 301.839,10.363 302.782,10.363 303.433,11.014 326.11,11.014 326.578,10.546 328.032,10.546 328.636,11.151 337.199,11.151 338.49,9.86 340.706,9.86 341.066,10.22 341.066,11.17 342.27,12.373 342.27,12.663 343.475,13.868 v1(345.008,13.868) ; v1(362.356,21.488) 362.529,21.661 373.421,21.661 373.594,21.488 378.155,21.488 380.06,23.393 380.06,23.816 380.746,24.502 380.746,38.32 380.97,38.544 380.97,40.534 383.997,43.561 383.997,44.425 v1(383.286,45.136)
  Solder Side w0.152: C83_3.1@254.083,9.311 254.643,9.871 254.854,9.871 v1(254.94,9.957)
Output_overdrive6: C83_2.1 IC1.5 J1_2.1 | length 147.1
  Component Side w0.152: v1(299.288,10.592) 299.288,11.31 C83_2.1@299.339,11.361 ; v1(345.694,13.36) 345.826,13.492 346.598,13.492 346.822,13.716 348.087,13.716 349.398,15.026 349.398,16.067 353.681,20.35 360.471,20.35 360.512,20.391 360.853,20.391 v1(361.417,20.955) ; IC1.5@380.753,45.549 382.378,45.549 v1(382.524,45.695)
  Signal Layer 1 w0.152: J1_2.1@272.906,5.274 273.858,6.225 274.689,6.225 274.766,6.303 275.618,6.303 275.695,6.225 276.975,6.225 277.052,6.303 277.904,6.303 277.981,6.225 279.261,6.225 279.338,6.303 280.19,6.303 280.267,6.225 281.547,6.225 281.624,6.303 284.484,6.303 286.69,8.509 286.69,8.51 288.308,10.129 292.178,10.129 292.336,10.287 296.206,10.287 297.115,11.197 298.683,11.197 v1(299.288,10.592) 299.842,11.146 300.599,11.146 301.458,10.287 301.484,10.287 301.713,10.058 302.909,10.058 303.137,10.287 324.451,10.287 324.498,10.241 328.581,10.241 329.185,10.846 335.432,10.846 336.321,9.957 337.962,9.957 338.364,9.555 340.832,9.555 341.371,10.094 341.371,11.043 342.575,12.247 342.575,12.537 343.377,13.34 345.227,13.34 345.248,13.36 v1(345.694,13.36) ; v1(361.417,20.955) 367.932,20.955 368.259,21.283 373.369,21.283 373.468,21.184 378.281,21.184 378.38,21.283 378.483,21.283 380.365,23.165 380.365,23.69 381.051,24.376 381.051,38.194 381.275,38.417 381.275,40.407 384.302,43.435 384.302,44.933 383.54,45.695 v1(382.524,45.695)
Output_overdrive7: C83_1.1 IC1.58 J1_1.1 | length 105.5
  Component Side w0.152: v1(344.729,12.802) 344.759,12.832 346.369,12.832 346.44,12.903 ; C83_1.1@346.895,12.497 346.846,12.497 346.44,12.903 ; v1(360.731,19.863) 360.105,19.863 359.923,20.045 353.807,20.045 349.702,15.941 349.702,14.9 348.214,13.411 346.948,13.411 346.44,12.903 ; v1(367.157,44.602) 367.157,49.047 366.903,49.301 366.903,60.554 368.303,61.953 IC1.58@368.303,62.999
  Signal Layer 1 w0.152: J1_1.1@314.906,5.274 315.014,5.382 315.846,5.382 316.766,6.303 317.618,6.303 317.695,6.225 318.763,6.225 318.84,6.303 319.904,6.303 319.981,6.225 321.049,6.225 321.126,6.303 322.19,6.303 322.264,6.229 322.267,6.225 323.335,6.225 323.497,6.387 325.158,6.387 329.058,10.287 329.312,10.541 334.663,10.541 334.917,10.287 335.954,9.25 340.958,9.25 341.676,9.968 341.676,10.917 342.879,12.121 342.879,12.411 343.265,12.797 344.724,12.797 v1(344.729,12.802) ; v1(360.731,19.863) 360.888,20.02 360.888,24.324 362.041,25.476 363.982,25.476 366.527,28.021 367.249,28.021 367.559,28.331 367.559,29.053 369.748,31.242 369.748,35.486 369.699,35.535 369.699,35.973 369.748,36.022 369.748,42.012 v1(367.157,44.602)
OVERN: IC1.56 IC18_1.14 IC18_2.14 IC18_3.14 IC24.12 R23.2 | length 121.2
  Component Side w0.152: R23.2@361.528,86.924 361.528,88.382 IC18_3.14@361.506,88.404 361.506,89.331 361.928,89.754 363.103,89.754 363.478,89.379 363.478,88.079 363.553,88.004 363.553,87.679 362.953,87.079 362.953,86.041 363.975,85.02 363.975,84.083 364.166,83.892 367.057,83.892 v1(367.228,83.721) 367.606,84.098 367.606,85.871 368.024,86.289 368.024,86.862 367.606,87.281 IC18_1.14@367.606,88.304 ; v1(369.228,61.254) 369.303,61.328 IC1.56@369.303,62.999 ; v1(369.727,83.754) 373.728,83.754 374.228,84.254 v1(374.228,85.254) 374.228,85.583 373.607,86.204 v1@373.607,87.104 ; v1(370.978,61.254) v1(375.228,61.254) ; IC18_2.14@373.581,88.354 373.607,88.328 v1@373.607,87.104 ; v1(373.687,87.16) 373.632,87.104 v1@373.607,87.104 ; v1(376.728,64.254) 376.58,64.403 376.58,65.376 376.889,65.685 376.909,65.685 377.312,66.088 377.312,66.361 377.366,66.416 377.366,66.892 377.478,67.004 378.228,67.004 378.719,67.495 v1(378.719,67.431) ; v1(378.477,78.754) 378.477,76.436 378.971,75.942 378.971,73.745 378.728,73.503 v1(378.728,71.754) ; v1@383.938,101.231 386.14,101.231 392.609,107.701 392.609,107.87 396.046,111.307 396.046,115.273 395.423,115.895 390.151,115.895 389.561,115.305 IC24.12@389.561,114.09
  Solder Side w0.152: v1(367.228,83.721) 367.262,83.754 v1(369.727,83.754) ; v1(369.228,61.254) v1(370.978,61.254) ; v1(373.687,87.16) 375.006,87.16 375.1,87.254 376.213,87.254 378.043,89.083 378.043,100.698 379.65,102.306 382.779,102.306 383.853,101.231 383.932,101.231 v1(383.938,101.225) ; v1(374.228,85.254) 375.978,85.254 376.257,85.532 376.7,85.532 377.006,85.226 377.006,84.785 376.866,84.645 376.866,83.409 378.033,82.242 378.033,79.947 378.477,79.502 v1(378.477,78.754) ; v1(375.228,61.254) 375.228,62.504 376.728,64.004 v1(376.728,64.254) ; v1(378.719,67.431) 378.719,71.745 v1(378.728,71.754)
P1V25_REF: IC16.4 IC16.6 IC16.8 IC17.1 IC17.2 IC25.11 R93.2 R100.1 | length 20.9
  Component Side w0.254: IC17.1@386.078,70.054 IC17.1@386.303,70.054 ; IC17.2@386.078,71.954 386.078,70.279 IC17.1@386.303,70.054 ; IC16.4@389.452,72.254 390.515,72.254 391.175,71.593 391.175,69.714 ; IC16.8@394.852,68.444 394.866,68.429 R93.2@394.866,66.975 394.866,66.429 394.692,66.254 393.228,66.254 392.263,67.219 392.263,68.626 391.175,69.714 ; IC17.1@386.303,70.054 386.873,70.054 387.393,69.534 R100.1@387.903,69.534 388.083,69.714 IC16.6@389.452,69.714 391.175,69.714
  Solder Side w0.254: IC25.11@389.4,71.653 390.547,71.653 390.801,71.907 v1(390.855,71.907)
P2V5_REF: C52.1 FB2.2 IC10.2 | length 40.9
  Component Side w0.254: IC10.2@353.02,50.857 353.191,51.027 C52.1@353.191,52.33 ; v1(387.858,59.69) 388.085,59.69 FB2.2@388.858,60.463
  Signal Layer 1 w0.254: v1(353.111,51.664) 354.025,51.664 360.629,58.268 378.003,58.268 379.425,59.69 v1@387.782,59.69